# Altium PCB Xavier_NX_Carrier_Board_v1.1.PcbDoc (part 2 of 6)
Units mm, origin at the board's own origin, x right, y up, seen from the top; angles counter-clockwise.
Board outline 106.25 x 75.1 mm, 6 copper layers (TOP, L2_GND, L3_PWR, L4_SIG, L5_GND, BOTTOM), stack 0.881 mm thick; 282 components, 291 nets, 1670 pads, 857 vias.
Unrouted connection lines stored in the file: 3.
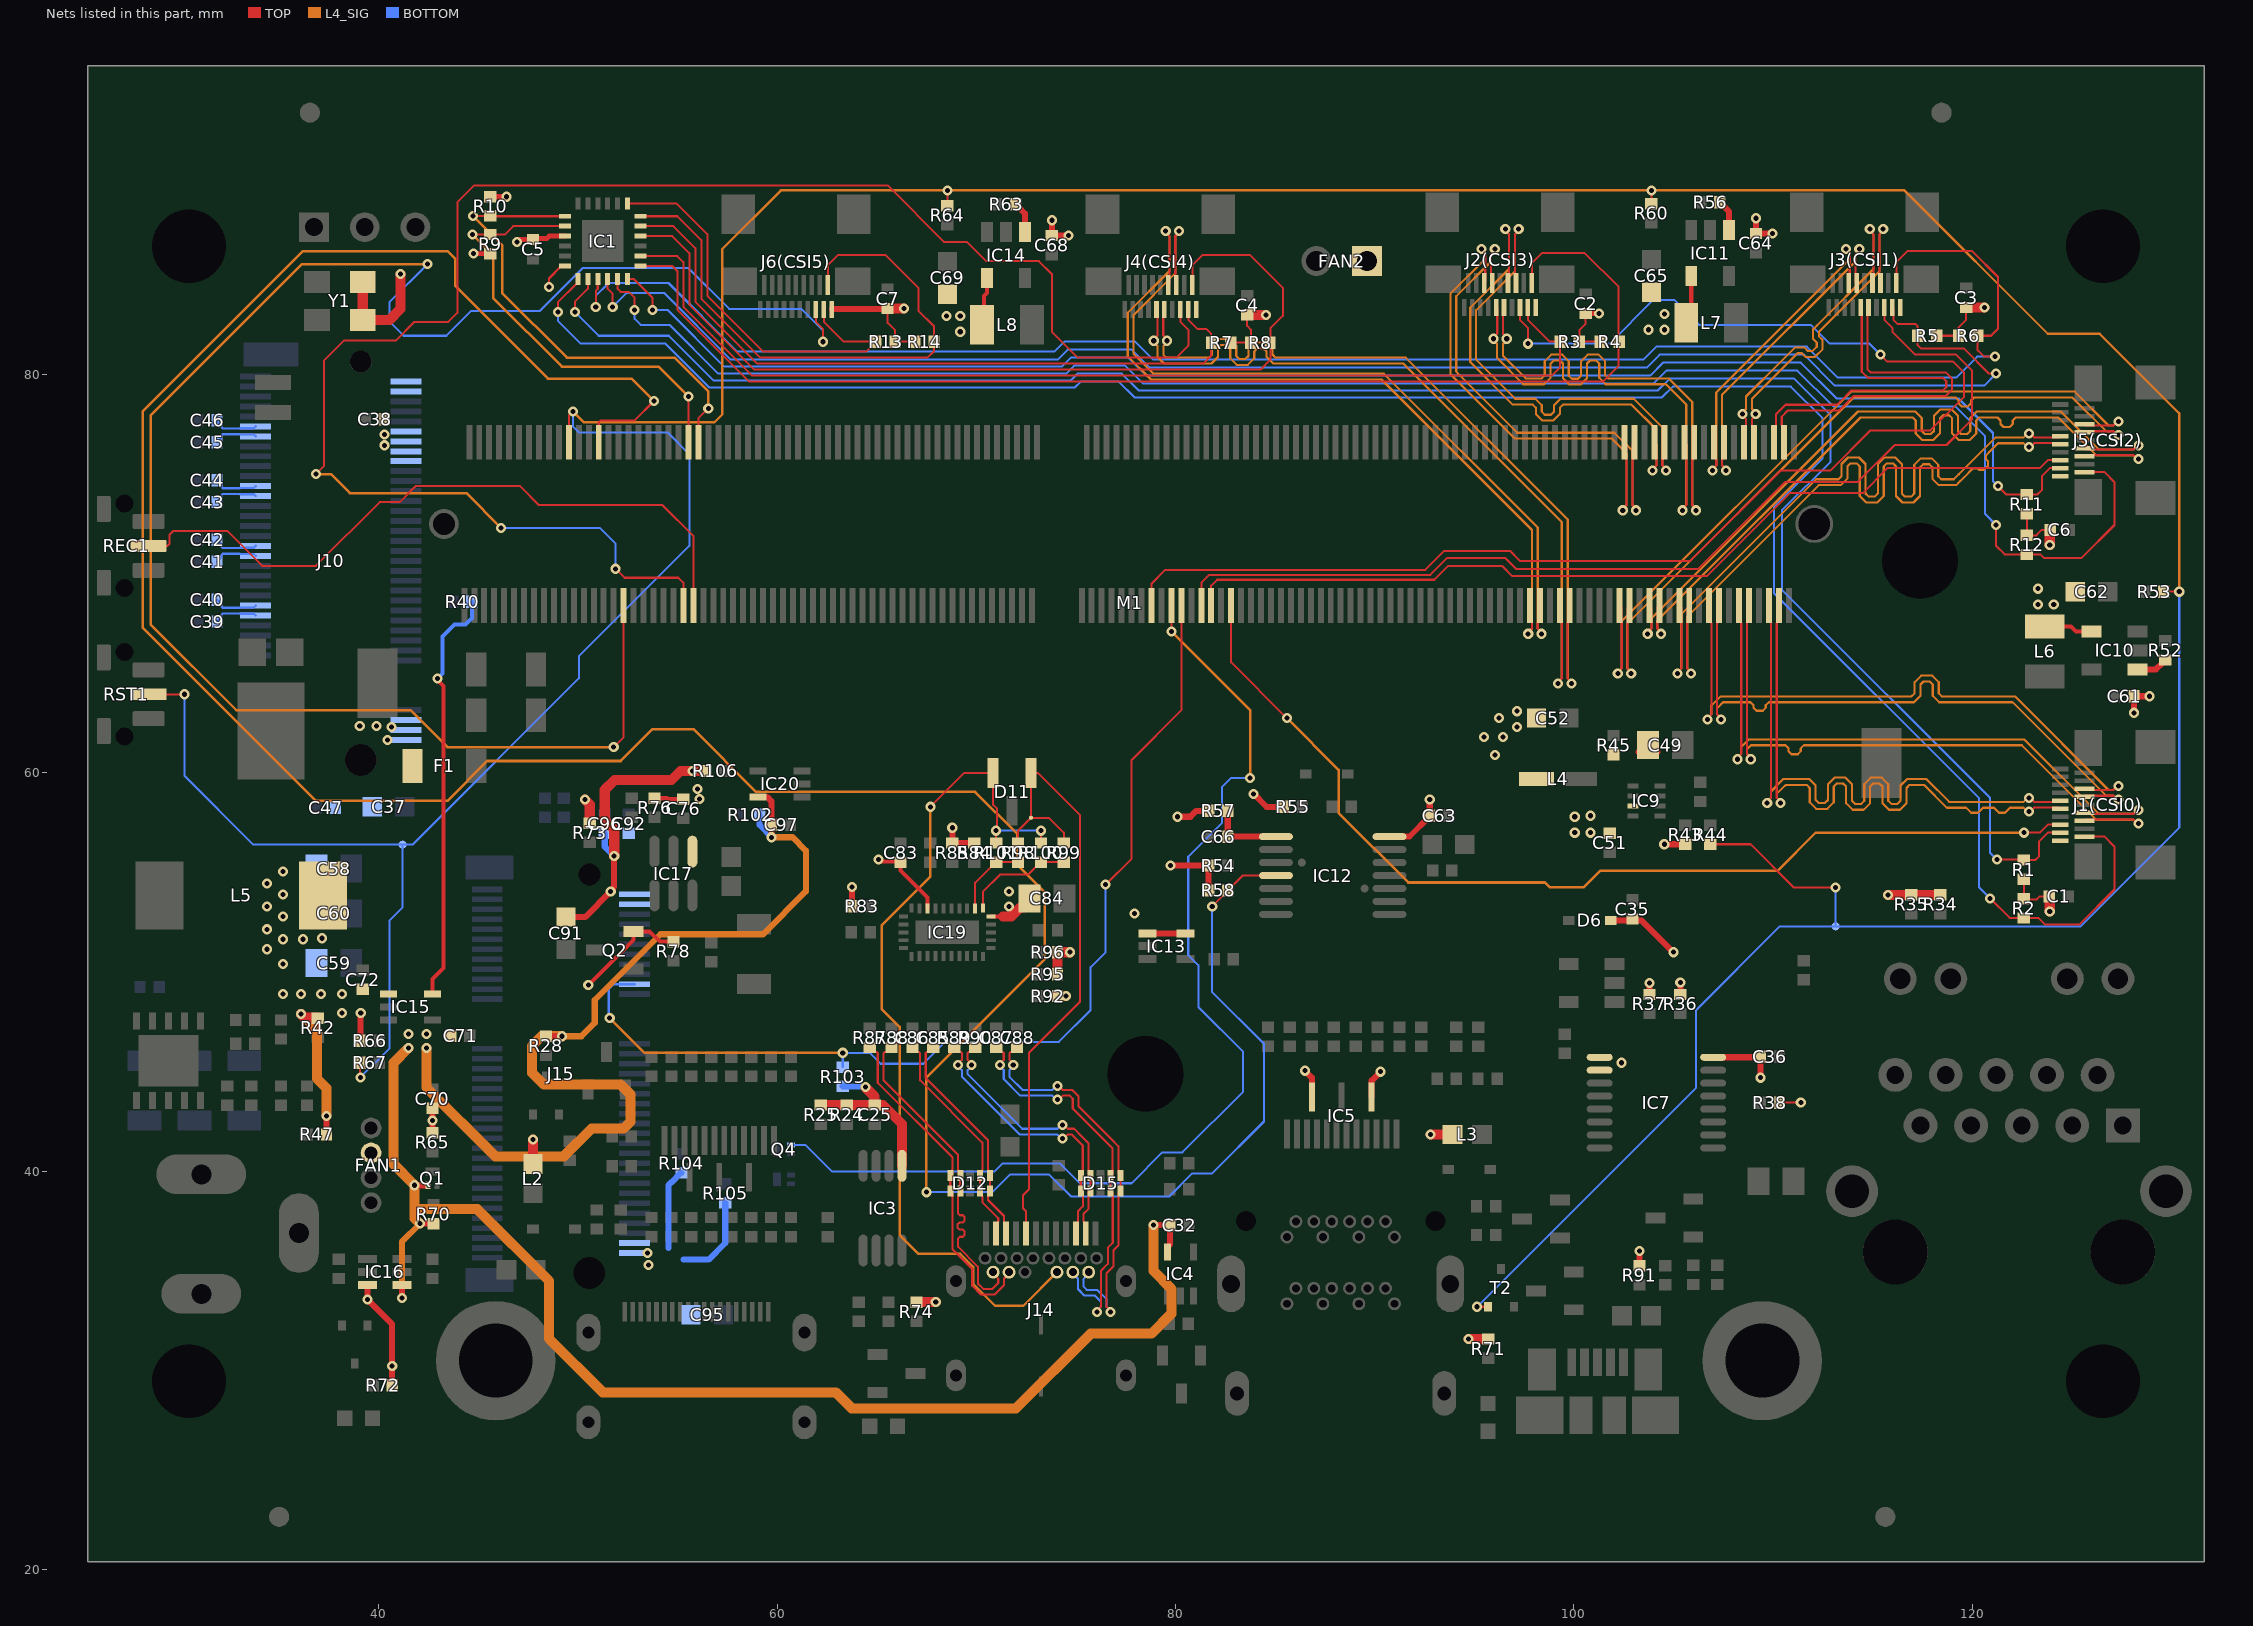
[diagram p6: the nets of this part, all layers, seen from the top]

## Part data
BAT1: library part battery, "Rechargeable Battery, Coin Cell, Single Cell, 3 V, Lithium Manganese Dioxide, 5.5 mAh, Button Cell", Manufacturer="SEIKO INSTRUMENTS", Class=Battery, PartNumber=MS621FE-FL11E, PartSymbol=MS621FE-FL11E
BOOT LED PWR: "LED Green 0603 case", Manufacturer="ROHM Semicon", PartNumber=LED_G, PartSymbol=SML-310MTT86
C1 C2 C3 C4 C5 C6 C7 C8 C9 C10 C11 C12 C13 C14 C15 C18 C19 C20 C21 C24 C25 C26 C27 C28 C29 C30 C31 C32 C35 C36 C38 C39 C40 C41 C42 C43 C44 C45 C46 C47 C48 C63 C70 C83 C85 C86 C87 C88 C92 C93 C94 C96 C97: "MLCC SMT Capacitor 100n 0402", Manufacturer=TDK, PartNumber=C_100n_0402, PartSymbol=C1005X5R0J104K050BA
C16 C17 C22 C23 C61 C64 C68 C89: "MLCC SMT Capacitor 4.7uF 0402", Manufacturer=MURATA, PartNumber=C_4u7_0402, PartSymbol=GRM155R60G475ME
C33 C50: "MLCC SMT Capacitor 10 nF 0402", Manufacturer=AVX, PartNumber=C_10n_0402, PartSymbol=04025G103ZAT2A
C34 C49: "MLCC SMT Capacitor 100pF 0805", PartNumber=C_100p_0805, PartSymbol=08051A101JAT2A
C37 C52 C62 C65 C67 C69 C90 C91 C95: "MLCC SMT Capacitor 10uF 0603", Manufacturer=Walsin, PartNumber=C_10u_0603, PartSymbol=0603X106M6R3CT
C51 C71 C72 C76: "MLCC SMT Capacitor 2.2uF 0402", Manufacturer=TDK, PartNumber=C_2u2_0402, PartSymbol=C1005X5R1A225K050BC
C53 C54 C55: "MLCC SMT Capacitor 2.2uF 1206", Manufacturer=KEMET, PartNumber=C_2u2_1206, PartSymbol=C1206C225J5RACTU
C56: "MLCC SMT Capacitor 4.7 nF 0402", Manufacturer=TDK, PartNumber=C_4n7_0402, PartSymbol=CGA2B3X7S2A472K050BB
C57: "MLCC SMT Capacitor 47pF 0402", Manufacturer=KEMET, PartNumber=C_47p_0402, PartSymbol=C0402C470J5GACTU
C58 C59 C60 C84: "MLCC SMT Capacitor 47uF 0805", Manufacturer=KEMET, PartNumber=C_47u_0805, PartSymbol=C0805C476M9PACTU
C66: "MLCC SMT Capacitor 47nF 0402", Manufacturer=MULTICOMP, PartNumber=C_47n_0402, PartSymbol=MC0402X473K160CT
C73 C74 C75: "MLCC SMT Capacitor 100uF 1206", Manufacturer="Taiyo Yuden", PartNumber=C_100u_1206, PartSymbol=JMK316BJ107ML-T
D1 D2 D6 D8: "Diode small signal", Manufacturer="ON SEMICONDUCTOR", PartNumber=1N914BWS, PartSymbol=1N914BWS
D3 D4 D5 D11 D13 D14: "DIODE, SCHOTTKY, 30V, 200MA, SOT-23", Manufacturer=NXP, MPN=TPD2E009DBZR, PartNumber=TPD2E009DBZR
D7: library part "Diode Schottky", "DIODE SCHOTTKY 60V 7A POWERDI5", Manufacturer="DIODES INC.", PartNumber=PDS760-13, PartSymbol=PDS760-13
D12 D15: "ESD Suppressors 4-CH", Manufacturer="Texas Instruments", PartNumber=TPD4E05U06_PASS, PartSymbol=TPD4E05U06DQAR
F1: library part Fuse, "PTC RESET 6V LO RHO 1206 4.50A", Manufacturer=LITTELFUSE, PartNumber=LITTELFUSE_1206L450SLWR, PartSymbol=1206L450SLWR
FAN2: "Pinhead connector with key", Manufacturer=Molex, PartNumber=molex_2223-2021, PartSymbol="022232021 A-6373-02A222"
IC1: "TCA9548ARGER  I2C SWITCH W/ RESET, 8-CH, VQFN-24", Manufacturer="TEXAS INSTRUMENTS", PartNumber=TCA9548ARGER, PartSymbol=TCA9548ARGER
IC2 IC5: "8-Channel ESD Protection for DisplayPort and HDMI", Manufacturer="TEXAS INSTRUMENTS", PartNumber=TPD8S009, PartSymbol=TPD8S009DSMR
IC3: "IC REDRIVER I2C 1CH 8TSSOP", Manufacturer=NXP, PartNumber=PCA9517ADP, PartSymbol=PCA9517ADP
IC4: library part SN74LV1T125, "Buffer, 74LV1T125, 1.6 V to 5.5 V, SOT-23-5", Manufacturer="Texas Instruments", PartNumber=SN74LV1T125DCKR, PartSymbol=SN74LV1T125DCKR
IC6: library part AT24CS01, Manufacturer=Atmel, PartNumber=AT24CS01-ST, PartSymbol=AT24CS01-ST
IC7: "Remote 8bit I2C SMBus I/O expander w/ 2kbit EEPROM memory", Manufacturer="NXP Semicondutors", PartNumber=PCA9500PW, PartSymbol=PCA9500PW
IC8: library part TPS54561, "IC REG BCK SPLIT RAIL ADJ 10WSON", Manufacturer="TEXAS INSTRUMENTS", PartNumber=TPS54561-Q1, PartSymbol=TPS54561-Q1
IC9: library part TPS62823, "IC REG BUCK ADJ 1A 8VSON-HR", Manufacturer="TEXAS INSTRUMENTS", Class=IC, PartNumber=TPS62823, PartSymbol=TPS62823DLCT
IC10 IC11 IC14: library part LM3671, "DC/DC Buck Converter", Manufacturer="TEXAS INSTRUMENTS", PartNumber=LM3671MF-3.3, PartSymbol=LM3671MF-3.3/NOPB
IC12: "2 NAND Gate, 4 channel", Manufacturer=NEXPERIA, PartNumber=74HC00PW, PartSymbol=74HC00PW
IC13: library part SN74LVC1G126, "Buffer, tri-state", Manufacturer="Texas Instruments", PartNumber=SN74LVC1G126DCKR, PartSymbol=SN74LVC1G126DCKR
IC15: library part TLV700, "Voltage Regulator, 2V to 5.5V, 175mV Dropout, 1.8Vout, 200mAout", Manufacturer="TEXAS INSTRUMENTS", PartNumber=TLV70018DCKT, PartSymbol=TLV70018DCKT
IC17: "POWER LOAD SWITCH, HIGH SIDE", Manufacturer="ON Semiconductor", PartNumber=NCP380HSNAJAAT1G, PartSymbol=NCP380HSNAJAAT1G
IC19: "IC DRP PORT CTLR USB-C 30WQFN", Manufacturer="Texas Instruments", PartNumber=HD3SS3220, PartSymbol=HD3SS3220RNHT
IC20: "Buffer, 74LV1T125, 1.6 V to 5.5 V, SOT-23-5", Manufacturer="Texas Instruments", PartNumber=SN74LV1T125DCKR, PartSymbol=SN74LV1T125DCKR
J1(CSI0) J2(CSI3) J3(CSI1) J4(CSI4) J5(CSI2) J6(CSI5): library part HDMI-0467650301
J7: library part WE_685119136923, "CONN HDMI FEMALE R/A 19POS 2.6MM", Manufacturer="WURTH ELEKTRONIK", PartNumber=WE_685119136923, PartSymbol=WE_685119136923
J8: library part miniDP, "Mini Displayport Reverse Offset", Manufacturer="TE Connectivity", PartNumber=2129320-3, PartSymbol=2129320-3
J9: library part WE_7499111447, "LAN-Transformer WE-RJ45LAN 10/100/1000 BaseT", Manufacturer="Wurth Elektronik", PartNumber=WE_7499110124, PartSymbol=WE_7499110124
J10: "CONN FEMALE 67POS 0.020 GOLD", Manufacturer=TE, PartNumber=1-2199119-5
J11: "DC Power Connector, Jack, 4 A, 1.95 mm, PCB Mount, Through Hole", Manufacturer="XKB Connectivity", PartNumber=DC-005-5A-2.5, PartSymbol=DC-005-5A-2.5
J13: library part "Micro USB B", "USB - micro B Receptacle Connector 5 Position Surface Mount, Right Angle, Horizontal", Manufacturer=Molex, PartNumber=CON-Molex-47346-0001, PartSymbol=473460001
J14: library part WE_632723300011, "USB 3.1 Type C Receptacle Horizontal THR WR-COM", Manufacturer="WURTH ELEKTRONIK", PartNumber=WE_632723300011, PartSymbol=632723300011
L1 L2 L3 L11: "FERRITE BEAD, 0.025OHM, 3A, 0603", Manufacturer=MURATA, PartNumber=BLM18SG121TN1D, PartSymbol=BLM18SG121TN1D
L4: "FIXED IND 470NH 6.7A 15 MOHM SMD", Inductance=470nH, Manufacturer=VISHAY, RatedCurrent=6.7A, Class=Inductance, PartNumber=IHLP1212AEERR47M11, PartSymbol=IHLP1212AEERR47M11
L5: "Fixed Inductors WE-PDF 1064 7.2uH 7.9A 12.8mOhm", Inductance=7.2uH, Manufacturer="WURTH ELEKTRONIK", RatedCurrent=7.9A, PartNumber=WE_7447798720, PartSymbol=7447798720
L6 L7 L8: "INDUCTOR, 2.2 ?H, ? 30%, 1212, 90 MHz, 0.073 ohm", Inductance=2.2uH, Manufacturer=MURATA, PartNumber=LQH32PN2R2NN0L, PartSymbol=LQH32PN2R2NN0L
L10: "MURATA  BLM18EG221SN1D  FERRITE BEAD, 0.05OHM, 2A, 0603", Manufacturer=MURATA, PartNumber=BLM18EG221SN1D, PartSymbol=BLM18EG221SN1D
M1: library part jetson-nano-new-release, Manufacturer="TE Connectivity", PartNumber=2309413-1, PartSymbol=2309413-1
Q1 Q4 Q5: "MOSFET (N-Channel)", Arrow Part Number=DMN26D0UFB4-7, Manufacturer_Name="Diodes Inc.", Mouser Part Number=621-DMN26D0UFB4-7, Arrow Price/Stock=https://www.arrow.com/en/products/dmn26d0ufb4-7/diodes-incorporated, Datasheet Link=https://componentsearchengine.com/Datasheets/1/DMN26D0UFB4-7.pdf, Height=0.4mm, Manufacturer_Part_Number=DMN26D0UFB4-7, Mouser Price/Stock=https://www.mouser.co.uk/ProductDetail/Diodes-Incorporated/DMN26D0UFB4-7?qs=GWgl%252BsiMZr%252B4pznsTuF3iQ%3D%3D
Q2: library part PMOS, "P CH, 20V, 4A", Manufacturer=NXP, PartNumber=PMV32UP, PartSymbol=PMV32UP
Q3: library part NMOS_PMV16XN, "MOSFET, N CH", Manufacturer=NXP, PartNumber=PMV16XN, PartSymbol=PMV16XN
R1 R2 R3 R4 R5 R6 R7 R8 R9 R10 R11 R12 R13 R14 R24 R25 R26 R27 R32 R69: "RES, 4k7, 0402", Manufacturer=Panasonic, PartNumber=R_4k7_0402, PartSymbol=ERJ2GEJ472X
R15 R16 R17 R18 R19 R20 R21 R22: "RES, 5R6, 0402", Manufacturer=Panasonic, PartNumber=R_5R6_0402, PartSymbol=ERJ2GEJ5R6X
R23 R29 R33 R38 R42 R68 R78: library part R_100k_0402, "SMT Resistor 100k 0402", Manufacturer=VISHAY, Tolerance=1%, PartNumber=R_100k_0402, PartSymbol=CRCW0402100KFKEDHP
R28 R36 R37 R85 R94 R95 R96: "RES, 2k, 0402", Manufacturer=VISHAY, PartNumber=R_2k_0402, PartSymbol=CRCW04022K00FKED
R30 R31: library part R_1M_0402, "SMT Resistor 1M 0402", Manufacturer=VISHAY, Tolerance=1%, PartNumber=R_1M_0402, PartSymbol=CRCW04021M00FKED
R34 R35: "RES, 220R, 0402", Manufacturer="TE CONECTIVITY", PartNumber=R_220R_0402, PartSymbol=CRG0402J220R
R39 R43 R52 R56 R62 R63 R66 R73 R76 R82 R86 R87 R88 R89 R90 R91 R98 R99 R100 R101 R107 R108: "RES, 0R, 0402", Manufacturer=Panasonic, PartNumber=R_0R_0402, PartSymbol=ERJ2GE0R00X
R40 R44 R53 R60 R64 R65 R67 R70 R79 R84 R93 R97 R102 R103 R104 R105 R106: "RES, 10k, 0402", Manufacturer=MULTICOMP, PartNumber=R_10k_0402, PartSymbol=MCMR04X1002FTL
R45 R46: "RES, 243k, 0402", Manufacturer=MULTICOMP, PartNumber=R_243k_0402, PartSymbol=MCMR04X2433FTL
R47: "RES, 49R9, 0402", Manufacturer=VISHAY, PartNumber=R_49R9_0402, PartSymbol=CRCW040249R9FKED
R48 R49: "RES, 53k6, 0402", Manufacturer="TE CONECTIVITY", PartNumber=R_53k6_0402, PartSymbol=CPF0402B53K6E1
R50: "RES, 16k9, 0402", Manufacturer=Panasonic, PartNumber=R_16k9_0402, PartSymbol=ERA2AEB1692X
R51 R80: "RES, 10k2, 0402, 0.1%", Manufacturer="TE CONECTIVITY", PartNumber=R_10k2_0402_0.1%, Tolerance=0.1%, PartSymbol=CPF0402B10K2E1
R54 R55 R59: "RES, 1k, 0402", Manufacturer=BOURNS, PartNumber=R_1k_0402, PartSymbol=CR0402-FX-1001GLF
R57 R58 R83 R92: "RES, 200k, 0402", Manufacturer=YAGEO, PartNumber=R_200k_0402, PartSymbol=RC0402FR-07200KL
R61: library part R_470k_0402, "SMT Resistor 470k 0402", Manufacturer=VISHAY, PartNumber=R_470k_0402, PartSymbol=CRCW0402470KFKED
R71 R72 R74: "RES, 470R, 0402", Manufacturer=VISHAY, PartNumber=R_470R_0402, PartSymbol=CRCW0402470RFKED.
R81: "RES, 909k, 0402", Manufacturer=Panasonic, PartNumber=R_909k_0402, PartSymbol=ERJ2RKF9093X
REC1 RST1: "E-SWITCH  TL3340AF160QG  SWITCH, TACTILE SPST 50mA, SMD GULL WING", Manufacturer=E-SWITCH, PartNumber=TL3340AF160QG, PartSymbol=TL3340AF160QG
SP1 SP8: "RND STANDOFF M2.5X0.45 STEEL 4MM", Manufacturer="WURTH ELEKTRONIK", PartNumber=9774040151, PartSymbol=9774040151
SP2 SP3 SP4 SP5 SP6 SP7: library part SPACER, "M2.5-6mm", Manufacturer="WURTH ELEKTRONIK", PartNumber=M2.5x6, PartSymbol=9774060151
T1 T2 T3: library part NMOS, "MOSFET, N CH, 60V, 0.2A", Manufacturer=NXP, PartNumber=BSS138PW, PartSymbol=BSS138PW
J15: part number=APCI0534-P017H06

## Free pads (board coordinates)
  round 1.016 all layers, no hole: 1(35,22.65) 1(36.55,93.15) 1(115.645,22.65) 1(118.465,93.15)
  round 0.4 smd far side paste-10 mask+0.05: ""(41.2,56.4) ""(113.15,52.3)
  round 0.4 on Mid3 paste-10 mask-10: ""(72.75,85.2) ""(75.6,86.15)
  round 0.203 smd paste-2.54 mask-2.54: ""(72.75,57.75)
  round 0.4 smd paste-10 mask-10: ""(86.35,55.5) ""(89.5,54.2)

## Via types
v1: diameter 0.508, hole 0.254, TOP to BOTTOM, 857 vias

## Nets (pads, with @x,y where several pads share a name; then routed paths per layer and width w, separated by ;. In a path a pad name is that pad's centre, name@x,y a point inside that pad or via, vN(x,y) a via of type N, cw(c..) or ccw(c..) an arc to the next point about the centre after c; other vN are vias at no path point)
1V8_SYS: C32.1 C71.2 C97.1 IC4.5 IC15.5 IC16.1 IC20.5 Q1.1 R28.2 R40.2 R70.2 R102.2 | length 138.7
  TOP w0.203: IC15.5@42.7,48.9 42.7,49.65 43.25,50.2 43.25,64.368 42.95,64.668 v1(42.95,64.75)
  TOP w0.305: v1(41.17,33.63) IC16.1@41.17,34.3 ; v1(41.8,39.3) Q1.1@42.475,39.3 ; v1(42.075,37.37) R70.2@42.75,37.37 ; R28.2@48.4,46.78 v1(49.2,46.78) ; IC20.5@59.05,58.8 59.5,58.8 59.72,58.58 C97.1@59.72,57.4 v1(59.72,56.77) ; v1(78.9,37.3) C32.1@79.72,37.3 79.72,36.32 79.6,36.2 IC4.5@79.6,35.95
  L4_SIG w0.305: v1(41.17,33.63) 41.17,36.465 v1(42.075,37.37) ; v1(49.2,46.78) 50.18,46.78 50.85,47.45 50.85,48.6 54.15,51.9 59.3,51.9 61.45,54.05 61.45,56.1 60.78,56.77 v1(59.72,56.77)
  L4_SIG w0.508: v1(41.5,46.2) 40.75,45.45 40.75,40.35 v1(41.8,39.3) 41.8,38.1 ; v1(42.075,37.37) 41.8,37.645 41.8,38.1 ; v1(42.4,46.2) 42.4,44.2 45.85,40.75 49.3,40.75 50.7,42.15 52.3,42.15 52.65,42.5 52.65,43.85 52.15,44.35 48.3,44.35 47.7,44.95 47.7,46.3 48.18,46.78 v1(49.2,46.78) ; v1(78.9,37.3) 78.9,35 79.8,34.1 79.8,32.85 78.8,31.85 75.75,31.85 72,28.1 63.75,28.1 62.95,28.9 51.25,28.9 48.55,31.6 48.55,34.5 44.95,38.1 41.8,38.1
  BOTTOM w0.203: v1(42.95,64.75) 43.2,65 43.2,66.85 43.8,67.45 44.35,67.45 44.68,67.78 R40.2@44.68,68.6
  BOTTOM w0.305: R102.2@59.13,57.9 59.13,57.386 59.72,56.796 v1(59.72,56.77)
  other v1: 41.5,46.9 42.4,46.9
3V3_CSI1: C1.2 C6.2 C62.2 IC10.4 J1(CSI0).19 J5(CSI2).19 L6.2 R1.2 R2.2 R11.2 R12.2 | length 8.7
  TOP w0.102: R1.2@122.6,54.67 R2.2@122.6,53.68 122.63,53.65 123.25,53.65 123.4,53.8 C1.2@123.87,53.8 ; R11.2@122.75,73.02 R12.2@122.75,71.93 123.23,71.93 123.5,72.2 C6.2@123.92,72.2
  TOP w0.203: L6.2@123.65,67.35 124.967,67.35 125.217,67.1 IC10.4@126,67.1
  TOP w0.508: C1.2@123.87,53.8 123.9,53.77 v1(123.9,53.05) ; v1(123.9,71.45) 123.9,72.18 C6.2@123.92,72.2
  other v1: 123.3,68.45 124.1,68.45 123.3,69.25
3V3_CSI2: C2.2 C3.2 C65.2 IC11.4 J2(CSI3).19 J3(CSI1).19 L7.2 R3.2 R4.2 R5.2 R6.2 | length 9.3
  TOP w0.102: C2.2@100.6,83.07 100.6,82.55 100.3,82.25 100.3,81.67 R3.2@100.28,81.65 R4.2@101.32,81.65 ; R5.2@118.23,81.95 R6.2@119.32,81.95 119.32,82.37 119.7,82.75 C3.2@119.7,83.37
  TOP w0.203: L7.2@105.65,82.6 105.9,82.85 IC11.4@105.9,84.95
  TOP w0.254: C2.2@100.6,83.07 v1(101.27,83.07)
  TOP w0.508: C3.2@119.7,83.37 v1(120.63,83.37)
  other v1: 103.75,82.25 104.55,82.25 104.55,83.05
3V3_CSI3: C4.2 C7.2 C69.2 IC14.4 J4(CSI4).19 J6(CSI5).19 L8.2 R7.2 R8.2 R13.2 R14.2 | length 12.4
  TOP w0.102: C7.2@65.55,83.32 65.55,82.6 65.93,82.22 R13.2@65.93,81.65 R14.2@66.92,81.65 ; R7.2@82.78,81.6 83.785,81.6 R8.2@83.792,81.607 83.792,82.258 83.6,82.45 C4.2@83.6,83
  TOP w0.203: L8.2@70.3,82.5 70.4,82.6 70.4,83.95 70.55,84.1 IC14.4@70.55,84.85
  TOP w0.305: 62.75,83.275 62.773,83.298 65.528,83.298 C7.2@65.55,83.32
  TOP w0.508: C7.2@65.55,83.32 v1(66.38,83.32) ; C4.2@83.6,83 v1(84.55,83)
  other v1: 69.2,82.15 68.5,82.95 69.2,82.95
3V3_SYS: C5.2 C25.2 C35.2 C36.2 C37.2 C38.2 C47.2 C49.2 C52.2 C83.1 C91.2 C92.2 C95.2 C96.2 D6.A IC1.21 IC1.24 IC3.1 IC7.1 IC7.2 IC7.16 IC19.8 J10.2 J10.4 J10.12 J10.14 J10.16 J10.18 J10.70 J10.72 J10.74 J15.2 J15.4 J15.72 J15.74 L3.1 L4.2 R9.2 R10.2 R24.2 R25.2 R34.2 R35.2 R36.2 R37.2 R38.1 R45.2 R83.2 R95.2 R96.2 R103.2 R104.2 R105.2 R106.2 Y1.1 Y1.4 | length 64.5
  TOP w0.102: v1(48.55,84.4) 48.55,84.825 49.175,85.45 IC1.24@49.35,85.45 ; R38.1@110.33,43.45 v1(111.4,43.45)
  TOP w0.203: v1(65.1,55.65) 65.2,55.55 66.17,55.55 C83.1@66.2,55.52 66.2,55.1 67.55,53.75 IC19.8@67.55,53.2
  TOP w0.254: v1(44.77,86.07) R9.2@45.6,86.07 ; R10.2@45.6,88.93 v1(46.42,88.93) ; v1(46.95,86.65) 47.08,86.78 C5.2@47.75,86.78 47.8,86.83 48.441,86.83 48.561,86.95 IC1.21@49.35,86.95
  TOP w0.305: C91.2@49.4,52.765 50.365,52.765 v1(51.65,54.05) 51.65,54.105 51.825,54.28 v1(51.825,55.825) ; R83.2@63.77,53.3 v1(63.77,54.28) ; D6.A@101.855,52.6 103.4,52.6 v1(105,51) ; C49.2@103.25,61.05 C49.2@104.2,61.05 ; R37.2@103.8,48.88 v1(103.8,49.45) ; R36.2@105.35,48.9 v1(105.35,49.47) ; IC7.16@107,45.725 C36.2@109.35,45.725 ; v1(109.37,44.7) C36.2@109.37,45.75
  TOP w0.508: Y1.1@39.2,84.65 Y1.4@39.2,82.75 40.55,82.75 41.1,83.3 v1(41.1,85.05) ; v1(51.825,55.825) 51.825,57.175 51.35,57.65 51.35,59.15 51.85,59.65 54.7,59.65 55.15,60.1 v1(55.75,60.1) R106.2@56.42,60.1 ; R25.2@62.2,43.33 R24.2@63.5,43.33 C25.2@64.9,43.33 ; v1@64.45,44.2 64.9,43.75 C25.2@64.9,43.33 ; IC3.1@66.275,40.275 66.275,42.375 65.32,43.33 C25.2@64.9,43.33 ; R95.2@74.08,49.9 R96.2@74.08,51 v1(74.7,51) ; v1(92.8,41.85) L3.1@93.915,41.85 ; v1(115.77,53.88) R35.2@116.95,53.88 R34.2@118.4,53.88
  BOTTOM w0.305: C96.2@51.35,56.97 51.35,56.3 v1(51.825,55.825) ; 54.55,36.15 54.55,39.3 54.7,39.45 54.707,39.45 55.177,39.92 R104.2@55.202,39.92 ; 55.3,35.565 56.565,35.565 57.4,36.4 R105.2@57.4,38.4 ; R103.2@63.3,44.27 63.322,44.248 64.428,44.248 v1(64.45,44.225)
  other v1: 53.55,35.3 53.5,35.9 102.4,45.45 96.05,60.9 40.45,61.65 95.5,61.8 96.45,61.8 40.65,62.3 97.15,62.3 39.05,62.35 39.9,62.35 96.25,62.75 97.15,63.1 40.3,76.45 40.3,77
5V0_SYS: C51.2 C58.2 C59.2 C60.2 C61.2 C63.1 C64.2 C68.2 C70.2 C72.2 C76.2 C84.1 F1.1 FAN1.2 FAN2.1 IC5.13 IC5.15 IC9.7 IC10.1 IC11.1 IC12.14 IC13.1 IC13.5 IC14.1 IC15.1 IC16.6 IC17.1 IC19.30 L2.1 L5.2 Q2.2 R42.1 R43.2 R47.2 R52.2 R54.2 R55.1 R56.2 R57.2 R58.2 R63.2 R65.2 R66.2 R71.2 R72.2 R73.1 R74.1 R76.2 R78.1 R84.1 R85.1 R91.2 R92.2 | length 58.5
  TOP w0.203: v1(50.525,49.35) 52.8,51.625 Q2.2@52.8,52.05 53.6,52.05 54.12,51.53 R78.1@54.8,51.53 ; R76.2@53.86,58.74 R76.2@53.85,58.73 54.47,58.73 54.52,58.68 C76.2@55.3,58.68 ; IC19.30@70.75,52.8 71.25,52.8
  TOP w0.305: R47.2@37.38,41.85 v1(37.38,42.78) ; R66.2@39.07,46.55 39.085,46.565 39.085,47.935 v1(39.1,47.95) ; IC16.6@39.43,34.3 v1(39.43,33.57) 40.68,32.32 v1(40.68,30.23) R72.2@40.68,29.25 ; R65.2@42.7,41.93 v1(42.7,42.55) C70.2@42.7,43.17 ; v1(68.8,57.25) R85.1@68.8,56.48 R84.1@69.9,56.48 ; R63.2@71.98,88.55 71.98,88.525 72.113,88.392 72.138,88.392 72.45,88.08 IC14.1@72.45,87.15 ; v1(73.8,87.75) C68.2@73.8,86.98 v1(74.63,86.98) ; IC13.1@78.35,51.95 IC13.1@78.6,51.95 IC13.5@80.5,51.95 ; v1(79.75,55.35) R54.2@81.67,55.35 R58.2@81.67,54.1 ; v1(80.1,57.8) 80.75,57.8 81.05,58.1 R57.2@81.67,58.1 ; v1(83.925,58.95) 84.575,58.3 R55.1@85.41,58.3 ; v1(86.5,45.05) 86.85,44.7 IC5.13@86.85,43.725 ; IC5.15@89.85,43.725 89.852,43.727 89.852,44.552 v1(90.3,45) ; IC12.14@90.75,56.8 90.759,56.809 91.754,56.809 92.77,57.825 C63.1@92.77,57.85 v1(92.77,58.67) ; R91.2@103.3,35.26 v1(103.3,36) ; v1(104.546,56.42) R43.2@105.6,56.42 ; R56.2@107.33,88.65 107.33,88.625 107.463,88.492 107.488,88.492 107.8,88.18 IC11.1@107.8,87.25 ; v1(109.15,87.85) C64.2@109.15,87.08 v1(109.98,87.08) ; v1(128.13,63.02) C61.2@128.13,63.85 v1(128.9,63.85) ; IC10.1@128.3,65.2 129.23,65.2 129.542,65.512 129.542,65.537 129.675,65.67 R52.2@129.7,65.67
  TOP w0.508: v1(36.1,47.9) 36.289,47.711 36.919,47.711 R42.1@36.95,47.68 ; L2.1@47.745,40.37 v1(47.745,41.595) ; v1(50.35,58.668) 50.6,58.418 R73.1@50.6,57.48 ; R74.1@67,33.43 v1(67.97,33.43) ; 71.35,52.8 71.775,52.8 72.229,53.254 72.379,53.254 72.675,53.55 C84.1@72.675,53.7 ; R92.2@74.08,48.8 v1(74.5,48.8) ; v1(94.72,31.58) R71.2@95.7,31.58
  L4_SIG w0.508: v1(36.1,47.9) 36.9,47.1 36.9,44.65 37.38,44.17 v1(37.38,42.78)
  other v1: 38.15,47.95 35.2,48.9 36.1,48.9 37.1,48.9 38.15,48.9 35.2,50.4 34.4,51.15 35.2,51.65 36.2,51.65 37.15,51.7 34.4,52.15 35.2,52.8 77.942,52.942 34.4,53.3 71.65,53.3 35.2,53.9 71.65,54.05 34.4,54.45 35.2,55.05 100.05,57 100.85,57 100.05,57.8 100.85,57.85 56.1,58.7 56,59.2
#RECOVERY: M1.214 REC1.2 | length 34.8
  TOP w0.102: REC1.2@28.45,71.4 29.4,71.4 29.5,71.5 29.5,71.95 29.7,72.15 32.4,72.15 34.15,70.4 36.85,70.4 40.05,73.6 41.05,73.6 41.85,74.4 47.1,74.4 48.05,73.45 54.25,73.45 55.8,71.9 M1.214@55.8,68.4
#RESET: M1.239 pad.@41.2,56.4 pad.@113.15,52.3 R44.1 R53.1 R60.1 R64.1 R67.1 RST1.2 T2.1 | length 241.7
  TOP w0.102: RST1.2@28.45,63.95 v1(30.25,63.95) ; v1@39.07,44.7 R67.1@39.07,45.45 ; M1.239@49.55,76.6 49.55,77.95 v1(49.75,78.15) ; R64.1@68.55,88.48 v1(68.55,89.25) ; v1(95.15,33.2) T2.1@95.7,33.2 ; R60.1@103.9,88.58 v1(103.9,89.25) ; R44.1@106.85,56.42 108.88,56.42 111.05,54.25 v1(113.15,54.25) ; R53.1@129.63,69.1 v1(130.4,69.1)
  L4_SIG w0.127: v1(49.75,78.15) 50.3,77.6 56.85,77.6 57.25,78 57.25,86.3 60.2,89.25 v1(68.55,89.25) v1(103.9,89.25) 116.6,89.25 123.8,82.05 126.4,82.05 130.4,78.05 v1(130.4,69.1)
  BOTTOM w0.102: v1(30.25,63.95) 30.25,59.85 33.701,56.399 pad.@41.2,56.399 ; v1(39.079,44.717) 40.55,46.188 40.55,52.6 41.2,53.25 pad.@41.2,56.399 ; v1(49.75,78.15) 49.75,77.4 50.05,77.1 54.5,77.1 55.6,76 55.6,71.4 50.05,65.85 50.05,64.75 41.699,56.399 pad.@41.2,56.399 ; v1(95.15,33.2) 106.15,44.2 106.15,48.1 110.35,52.3 pad.@113.15,52.3 ; v1(113.15,54.25) pad.@113.15,52.3 ; v1(130.4,69.1) 130.4,57.25 125.45,52.3 pad.@113.15,52.3
#SHUTDOWN_REQ: IC12.4 M1.233 R58.1 | length 155.3
  TOP w0.102: M1.233@51.05,76.6 51.05,77.6 51.15,77.7 52.85,77.7 v1(53.825,78.675) ; v1(81.85,53.3) 81.855,53.3 82.63,54.075 R58.1@82.63,54.1 83.38,54.85 IC12.4@85.05,54.85
  L4_SIG w0.127: v1(53.825,78.675) 52.7,79.8 48.5,79.8 43.85,84.45 43.85,85.8 43.45,86.2 36.2,86.2 28.15,78.15 28.15,67.3 36.85,58.6 43.45,58.6 45.45,60.6 52.15,60.6 53.75,62.2 55.8,62.2 58.95,59.05 69.95,59.05 72.05,56.95 72.05,55.4 73.45,54 73.45,50.65 67.5,44.7 v1(67.5,38.95)
  BOTTOM w0.102: v1(67.5,38.95) 70.8,38.95 71.7,39.85 73.65,39.85 74.764,38.736 79.686,38.736 80.85,39.9 81.85,39.9 84.45,42.5 84.45,46.4 81.85,49 v1(81.85,53.3)
\P\W\R\_\S\E\T\: C66.2 IC12.1 R57.1 | length 3.7
  TOP w0.305: R57.1@82.63,58.1 C66.2@82.63,56.8 IC12.1@85.05,56.8
BT_M2_EN: M1.126 Q4.1 | length 54.8
  TOP w0.102: v1(79.8,67.1) M1.126@79.8,68.4
  L4_SIG w0.127: v1(79.8,67.1) 83.75,63.15 v1(83.75,59.75)
  BOTTOM w0.102: Q4.1@60.7,41.325 61.425,41.325 62.75,40 70.923,40 71.323,40.4 74.2,40.4 75.2,39.4 77.8,39.4 79.35,40.95 80.35,40.95 83.4,44 83.4,46 81.15,48.25 81.15,50.35 80.646,50.854 80.646,55.796 82.35,57.5 82.35,59.3 82.8,59.75 v1(83.75,59.75)
BT_M2_WAKE_AP: J15.20 M1.124 R103.1 | length 52
  TOP w0.102: v1(76.492,54.392) 77.8,55.7 77.8,60.65 80.3,63.15 M1.124@80.3,68.4
  L4_SIG w0.127: v1(51.6,47.7) 53.35,45.95 v1(63.3,45.95)
  BOTTOM w0.102: R103.1@63.3,45.23 v1(63.3,45.95) 64.65,45.95 65.2,45.4 67.35,45.4 68.45,46.5 74.15,46.5 75.75,48.1 75.75,50.25 76.5,51 76.5,54.385 v1(76.492,54.392)
  BOTTOM w0.127: v1(51.6,47.7) 51.553,47.747 51.553,49.153 51.8,49.4 J15.20@52.85,49.4
C_CC1: D11.1 J14.A5 pad.@72.75,57.75 R98.2 R99.2 | length 31.8
  TOP w0.102: R98.2@72.1,56.48 72.1,57.1 pad.@72.75,57.75 ; J14.A5@72.5,36.885 72.5,38 72.35,38.15 72.35,38.8 72.65,39.1 72.65,45.95 75.2,48.5 75.2,57.9 73.1,60 D11.1@72.75,60 pad.@72.75,57.75 ; R99.2@74.4,56.48 74.4,57 73.65,57.75 pad.@72.75,57.75
C_CC2: D11.2 J14.B5 R100.1 R101.1 | length 43.8
  TOP w0.102: v1(67.7,58.3) 69.4,60 D11.2@70.85,60 70.85,58.4 71.05,58.2 71.05,57.15 v1(71,57.1) R101.1@71,56.48 ; R100.1@73.25,56.48 v1(73.25,57.1)
  L4_SIG w0.127: v1(67.7,58.3) 67.7,54.8 65.25,52.35 65.25,48.148 66.15,47.248 66.15,36.8 67.1,35.85 69.2,35.85 69.85,35.2 69.85,34.35 70.95,33.25 72.365,33.25 J14.B5@74.05,34.935
  BOTTOM w0.102: v1(71,57.1) v1(73.25,57.1)
C_PCIE0_TX0_N: C40.1 J10.47 | length 2.2
  BOTTOM w0.114: C40.1@31.88,68.7 32.108,68.472 32.108,68.357 32.175,68.29 33.04,68.29 33.058,68.307 33.732,68.307 J10.47@33.825,68.4
C_PCIE0_TX0_P: C39.1 J10.49 | length 2.2
  BOTTOM w0.114: C39.1@31.88,67.6 32.108,67.828 32.108,67.943 32.175,68.01 33.04,68.01 33.058,67.993 33.732,67.993 J10.49@33.825,67.9
C_PCIE0_TX1_N: C42.1 J10.35 | length 2.2
  BOTTOM w0.114: C42.1@31.88,71.7 32.108,71.472 32.108,71.357 32.175,71.29 33.04,71.29 33.058,71.307 33.732,71.307 J10.35@33.825,71.4
C_PCIE0_TX1_P: C41.1 J10.37 | length 2.2
  BOTTOM w0.114: C41.1@31.88,70.6 32.108,70.828 32.108,70.943 32.175,71.01 33.04,71.01 33.058,70.993 33.732,70.993 J10.37@33.825,70.9
C_PCIE0_TX2_N: C44.1 J10.23 | length 2.2
  BOTTOM w0.114: C44.1@31.88,74.7 32.108,74.472 32.108,74.357 32.175,74.29 33.04,74.29 33.058,74.307 33.732,74.307 J10.23@33.825,74.4
C_PCIE0_TX2_P: C43.1 J10.25 | length 2.2
  BOTTOM w0.114: C43.1@31.88,73.6 32.108,73.828 32.108,73.943 32.175,74.01 33.04,74.01 33.058,73.993 33.732,73.993 J10.25@33.825,73.9
C_PCIE0_TX3_N: C46.1 J10.11 | length 2.2
  BOTTOM w0.114: C46.1@31.88,77.7 32.108,77.472 32.108,77.357 32.175,77.29 33.04,77.29 33.058,77.307 33.732,77.307 J10.11@33.825,77.4
C_PCIE0_TX3_P: C45.1 J10.13 | length 2.2
  BOTTOM w0.114: C45.1@31.88,76.6 32.108,76.828 32.108,76.943 32.175,77.01 33.04,77.01 33.058,76.993 33.732,76.993 J10.13@33.825,76.9
C_USBSS_RX1_N: D12.1 J14.B10 R87.1 | length 17
  TOP w0.107: R87.1@64.65,46.22 64.881,45.989 64.995,45.989 65.058,45.926 65.058,44.448 68.808,40.698 68.808,40.069 68.797,40.058 68.797,39.882 D12.1@68.7,39.785 D12.1@68.7,39.015 68.797,38.918 68.797,38.742 68.808,38.731 68.808,36.09 69.649,35.249 69.8,35.098 69.8,34.248 70.232,33.816 70.937,33.816 71.392,34.271 71.392,34.507 71.392,34.601 71.65,34.859 J14.B10@71.65,34.935